# Allegro board FMDEMOD-before-back-annote.brd (continued)
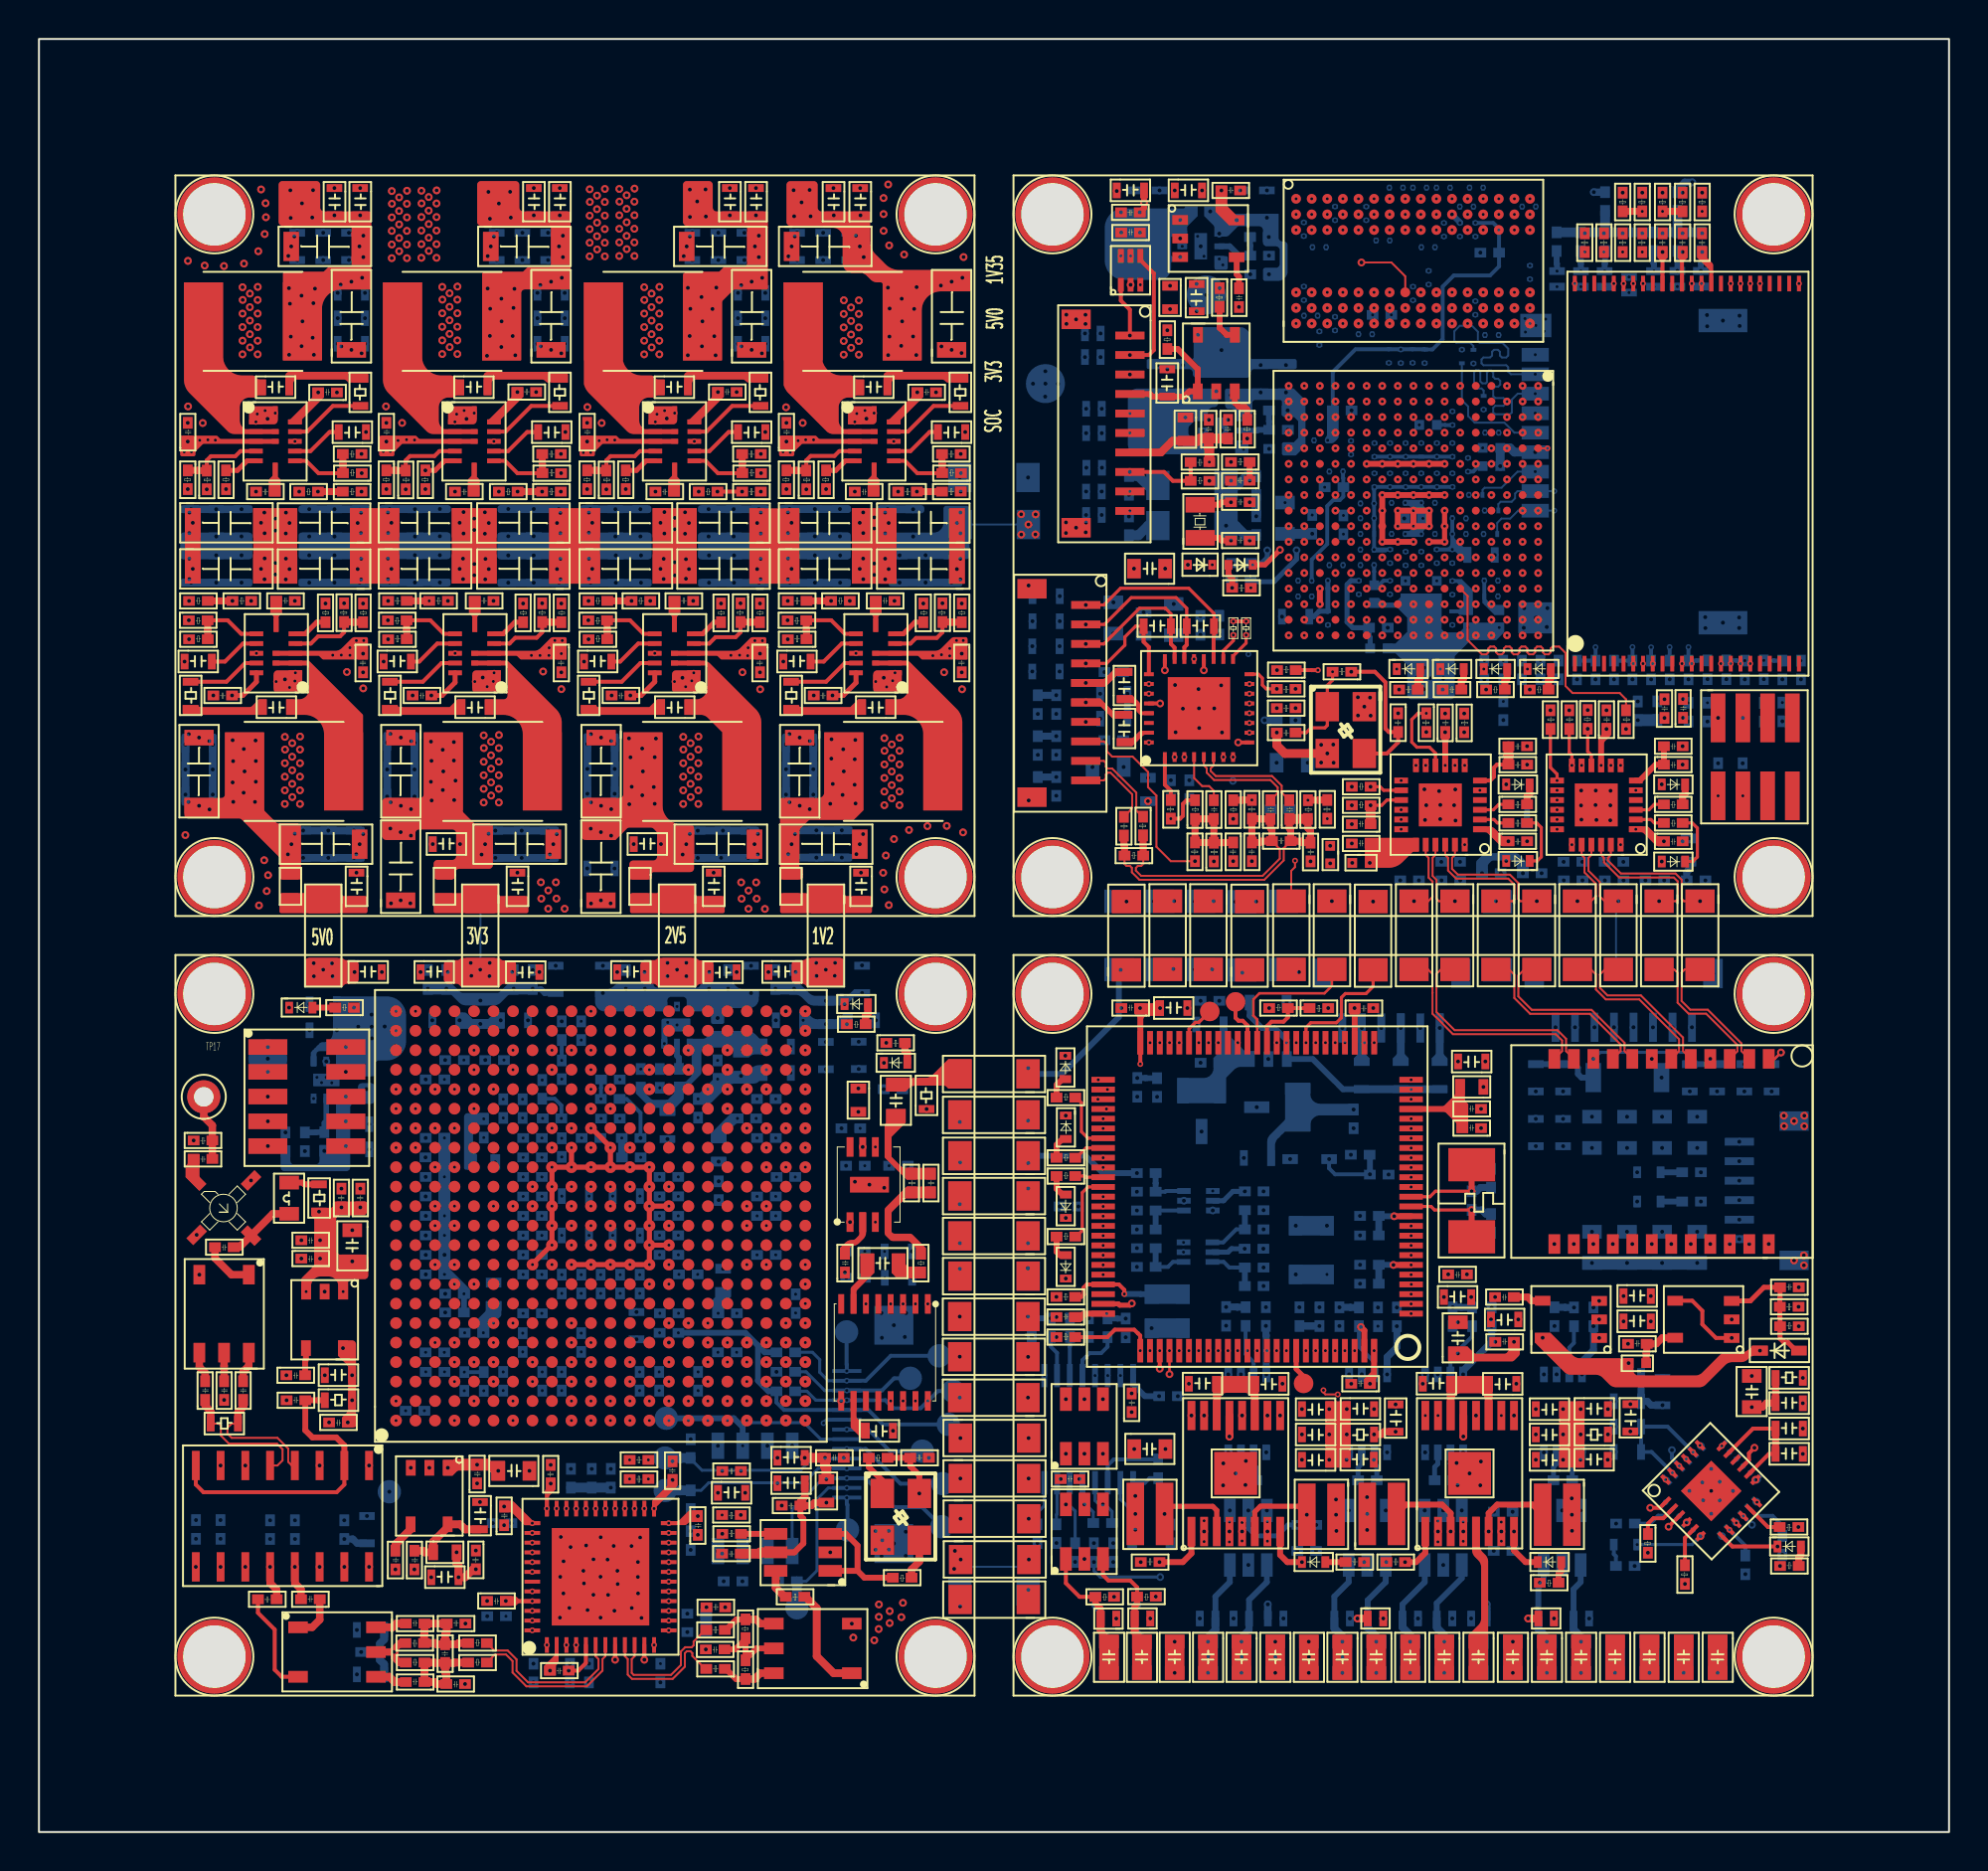
[diagram p0: board, top side]
## Placement (name value [footprint] x y rotation side) (continued)
C322  0.01uF  [C0402]  61.82 78.24 90 top
C323  100pF/25V  [C0603]  7.37 59.66 0 top
C367  0.1uF  [C0402]  57.8 14.81 90 bottom
C368  0.1uF  [C0402]  68.75 27.88 180 bottom
C369  0.1uF  [C0402]  68.75 31.36 180 bottom
C370  0.1uF  [C0402]  68.75 28.86 180 bottom
C371  10uF  [C0805]  85.7 36.9 270 bottom
C372  10uF  [C0805]  82.1 36.9 270 bottom
C373  10uF  [C0805]  83.9 36.9 270 bottom
C374  10uF  [C0805]  80.3 36.9 270 bottom
C375  10uF  [C0805]  83.9 31 270 bottom
C376  10uF  [C0805]  85.7 31 270 bottom
C377  10uF  [C0805]  80.3 31 270 bottom
C378  10uF  [C0805]  82.1 31 270 bottom
C386  0.1uF/25V  [C0603]  16.56 51.48 270 bottom
C395  0.1uF  [C0402]  22.57 22.63 90 bottom
C396  0.01uF  [C0402]  9.75 22.16 90 top
C397  0.01uF  [C0402]  10.72 22.16 90 top
C398  0.01uF  [C0402]  8.78 22.16 90 top
C399  0.01uF  [C0402]  13.67 22.4 180 top
C400  33pF  [C0402]  9.56 16.02 270 bottom
C401  0.1uF  [C0402]  15.41 15.03 90 bottom
C402  0.01uF  [C0402]  14.41 12.19 180 top
C403  0.01uF  [C0402]  11.22 11.69 0 top
C404  10uF  [C0805]  15.46 31.08 270 top
C405  0.1uF  [C0402]  13.45 29.17 0 top
C406  10uF  [C0603]  14.56 23.04 0 top
C407  0.1uF  [C0402]  14.88 20.77 0 top
C408  0.01uF  [C0402]  12.68 23.19 0 top
C409  0.1uF  [C0402]  44.59 33.94 180 bottom
C410  10uF  [C0603]  43.29 30.19 0 bottom
C411  0.1uF  [C0402]  35.12 13.11 0 bottom
C412  0.1uF  [C0402]  39.07 27.6 270 bottom
C413  0.1uF  [C0402]  37.81 31.36 180 bottom
C414  0.1uF  [C0402]  37.81 32.36 180 bottom
C415  0.1uF  [C0402]  38.81 33.36 180 bottom
C416  0.1uF  [C0402]  37.81 35.36 180 bottom
C417  0.1uF  [C0402]  37.81 37.36 180 bottom
C418  0.1uF  [C0402]  20.83 26.91 0 bottom
C419  0.1uF  [C0402]  19.83 38.87 0 bottom
C420  0.1uF  [C0402]  19.83 33.86 0 bottom
C421  0.1uF  [C0402]  19.84 31.86 0 bottom
C422  0.1uF  [C0402]  19.84 30.86 0 bottom
C423  0.1uF  [C0402]  19.84 28.86 0 bottom
C424  0.1uF  [C0402]  20.83 27.87 0 bottom
C425  0.1uF  [C0402]  19.83 24.86 0 bottom
C426  0.1uF  [C0402]  28.61 18.64 270 bottom
C427  0.1uF  [C0402]  32.82 26.37 180 bottom
C428  0.1uF  [C0402]  28.57 27.63 90 bottom
C429  0.1uF  [C0402]  29.57 27.63 90 bottom
C430  0.1uF  [C0402]  32.81 32.36 180 bottom
C431  0.1uF  [C0402]  32.81 31.36 180 bottom
C432  0.1uF  [C0402]  32.81 30.36 180 bottom
C433  0.1uF  [C0402]  32.81 29.37 180 bottom
C434  0.1uF  [C0402]  29.81 36.36 180 bottom
C435  0.1uF  [C0402]  24.83 33.86 0 bottom
C436  0.1uF  [C0402]  24.83 28.86 0 bottom
C437  0.1uF  [C0402]  27.07 35.61 270 bottom
C438  0.1uF  [C0402]  24.83 29.87 0 bottom
C439  0.1uF  [C0402]  30.57 27.63 90 bottom
C440  2.2uF  [C0402]  26.21 8.03 0 top
C441  0.1uF  [C0402]  13.45 30.11 0 top
C442  DNP  [C0805]  80.24 9.97 270 top
C443  DNP  [C0805]  82.01 9.97 270 top
C444  DNP  [C0805]  85.51 9.97 270 top
C445  DNP  [C0805]  83.77 9.97 270 top
C446  DNP  [C0805]  86.76 9.97 270 bottom
C447  DNP  [C0805]  85.01 9.97 270 bottom
C448  DNP  [C0805]  81.49 9.97 270 bottom
C449  DNP  [C0805]  83.26 9.97 270 bottom
C450  DNP  [C0805]  59.36 9.97 270 top
C451  DNP  [C0805]  61.08 9.97 270 top
C452  DNP  [C0805]  67.99 9.97 270 top
C453  DNP  [C0805]  69.24 9.97 270 bottom
C454  DNP  [C0805]  66.25 7.96 90 bottom
C455  DNP  [C0805]  66.25 9.97 270 top
C456  DNP  [C0805]  55.97 9.97 270 top
C457  DNP  [C0805]  54.28 9.97 270 top
C458  DNP  [C0805]  57.21 9.97 270 bottom
C459  DNP  [C0805]  55.52 9.97 270 bottom
C460  DNP  [C0805]  58.9 9.97 270 bottom
C461  DNP  [C0805]  57.65 9.97 270 top
C462  DNP  [C0805]  70.98 9.97 270 bottom
C463  DNP  [C0805]  72.73 9.97 270 bottom
C464  DNP  [C0805]  74.48 9.97 270 bottom
C465  DNP  [C0805]  75 9.97 270 top
C466  DNP  [C0805]  73.23 9.97 270 top
C467  DNP  [C0805]  76.25 9.97 270 bottom
C468  DNP  [C0805]  69.73 9.97 270 top
C469  DNP  [C0805]  78 9.97 270 bottom
C470  DNP  [C0805]  79.75 9.97 270 bottom
C471  DNP  [C0805]  76.75 9.97 270 top
C472  DNP  [C0805]  71.48 9.97 270 top
C473  DNP  [C0805]  78.5 9.97 270 top
C474  DNP  [C0805]  64.53 9.97 270 top
C475  DNP  [C0805]  60.61 9.97 270 bottom
C476  DNP  [C0805]  62.33 9.97 270 bottom
C477  DNP  [C0805]  64.06 9.97 270 bottom
C478  DNP  [C0805]  62.81 9.97 270 top
C479  DNP  [C0805]  65.78 9.97 270 bottom
C480  0.1uF  [C0402]  74 36.37 180 top
C481  1uF  [C0603]  74.31 39.94 180 top
C482  0.1uF  [C0402]  67.49 42.03 0 top
C483  0.1uF  [C0402]  56.51 42.53 180 top
C484  0.1uF  [C0402]  72.3 28.36 0 top
C485  0.1uF  [C0402]  68.3 23.25 180 top
C486  0.1uF  [C0402]  53.39 18.36 180 top
C487  0.1uF  [C0402]  56.31 21.53 90 top
C488  4.7uF  [C0603]  78.99 18.7 0 top
C489  4.7uF  [C0603]  66.99 18.7 0 top
C490  4.7uF  [C0603]  81.25 22.05 270 top
C491  4.7uF  [C0603]  69.2 22.04 270 top
C492  10uF  [C0603]  57.42 41.88 0 top
C493  10uF  [C0603]  71.98 27.05 0 top
C494  DNP  [C0805]  66.28 30.49 180 bottom
C495  DNP  [C0805]  66.28 27.99 180 bottom
C496  DNP  [C0805]  56.88 26.47 0 bottom
C497  DNP  [C0805]  56.88 28.22 0 bottom
C498  10uF  [C0805]  73.42 24.36 90 top
C499  10uF  [C0805]  55.99 19.03 0 top
C500  0.22uF  [C0201]  71.15 79.45 90 bottom
C501  0.22uF  [C0201]  70.35 78.64 90 bottom
C502  0.1uF  [C0201]  69.97 69.06 90 bottom
C503  0.1uF  [C0201]  70.77 69.06 90 bottom
C504  0.1uF  [C0201]  71.57 69.06 90 bottom
C505  0.1uF  [C0201]  68.45 68.02 180 bottom
C506  1uF/10V  [C0402]  8.94 58.07 0 top
C507  15nF  [C0402]  13.14 63.42 180 top
C516  0.1uF  [C0603]  23.18 58.12 180 top
C517  22uF/50V  [C1206]  26.43 65.59 180 top
C518  0.1uF/50V  [C0603]  20.97 65.61 270 bottom
C519  150pF/25V  [C0603]  17.58 59.66 0 top
C520  22uF/25V  [C1206]  17.78 56 270 top
C521  22uF/25V  [C1206]  26.24 51.48 180 top
C522  0.1uF/25V  [C0603]  17.77 54.92 0 bottom
C523  0.1uF/25V  [C0603]  17.77 56.29 0 bottom
C524  1uF/10V  [C0402]  19.16 58.07 0 top
C525  15nF  [C0402]  23.33 63.42 180 top
C526  0.1uF  [C0603]  33.42 58.12 180 top
C527  22uF/50V  [C1206]  36.7 65.59 180 top
C528  0.1uF/50V  [C0603]  34.78 65.6 270 bottom
C529  100pF/25V  [C0603]  27.87 59.66 0 top
C530  22uF/25V  [C1206]  28.05 56 270 top
C531  22uF/25V  [C1206]  36.56 51.48 180 top
C532  0.1uF/25V  [C0603]  28.03 49.84 0 bottom
C534  1uF/10V  [C0402]  29.37 58.07 0 top
C535  15nF  [C0402]  33.58 63.42 180 top
C536  0.1uF  [C0603]  43.73 58.12 180 top
C537  22uF/50V  [C1206]  38.76 64.02 0 top
C538  0.1uF/50V  [C0603]  40.21 65.6 270 bottom
C539  100pF/25V  [C0603]  38.09 59.66 0 top
C540  22uF/25V  [C1206]  38.24 56 270 top
C541  22uF/25V  [C1206]  41.96 51.48 180 top
C542  0.1uF/25V  [C0603]  40.29 51.5 270 bottom
C543  0.1uF/25V  [C0603]  38.98 51.5 270 bottom
C544  1uF/10V  [C0402]  39.74 58.07 0 top
C545  15nF  [C0402]  43.9 63.42 180 top
C1307  22uF/50V  [C1206]  16.2 67.95 180 top
C1308  0.1uF/25V  [C0603]  7.4 66.37 90 bottom
C3061  0.1uF  [C0603]  11.34 73.73 0 top
C3101  22uF/25V  [C1206]  16.82 76.2 90 top
C3131  0.1uF/25V  [C0603]  16.08 84.45 270 top
C3141  22uF/25V  [C1206]  13.09 80.57 0 top
C3231  100pF/25V  [C0603]  16.88 72.23 180 top
C3861  0.1uF/25V  [C0603]  14.76 84.45 270 top
C5061  1uF/10V  [C0402]  15.3 74.11 180 top
C5071  15nF  [C0402]  11.13 68.53 0 top
C5161  0.1uF  [C0603]  21.52 73.73 0 top
C5171  22uF/50V  [C1206]  26.43 67.95 180 top
C5181  0.1uF/50V  [C0603]  26.28 66.37 90 bottom
C5191  150pF/25V  [C0603]  27.11 72.23 180 top
C5201  22uF/25V  [C1206]  27.06 76.2 90 top
C5211  22uF/25V  [C1206]  23.33 80.57 0 top
C5221  0.1uF/25V  [C0603]  26.32 84.45 270 top
C5231  0.1uF/25V  [C0603]  24.99 84.45 270 top
C5241  1uF/10V  [C0402]  25.52 74.13 180 top
C5251  15nF  [C0402]  21.34 68.53 0 top
C5261  0.1uF  [C0603]  31.8 73.73 0 top
C5271  22uF/50V  [C1206]  28.54 66.39 0 top
C5281  0.1uF/50V  [C0603]  35.24 66.37 90 bottom
C5291  100pF/25V  [C0603]  37.37 72.23 180 top
C5301  22uF/25V  [C1206]  37.36 76.2 90 top
C5311  22uF/25V  [C1206]  33.38 80.57 0 top
C5321  0.1uF/25V  [C0603]  36.39 84.45 270 top
C5331  0.1uF/25V  [C0603]  35.05 84.45 270 top
C5341  1uF/10V  [C0402]  35.81 74.13 180 top
C5351  15nF  [C0402]  31.62 68.53 0 top
C5361  0.1uF  [C0603]  42.03 73.73 0 top
C5371  22uF/50V  [C1206]  38.76 66.39 0 top
C5391  100pF/25V  [C0603]  47.62 72.23 180 top
C5401  22uF/25V  [C1206]  47.62 76.2 90 top
C5411  22uF/25V  [C1206]  38.77 80.57 0 top
C5421  0.1uF/25V  [C0603]  41.73 84.45 270 top
C5431  0.1uF/25V  [C0603]  40.36 84.45 270 top
C5441  1uF/10V  [C0402]  46.03 74.12 180 top
C5451  15nF  [C0402]  41.85 68.53 0 top
C5472  22uF/50V  [C1206]  16.2 65.59 180 top
C5473  0.1uF/25V  [C0603]  10.79 65.61 270 bottom
C5474  0.1uF/25V  [C0603]  16.86 65.61 270 bottom
C5475  0.1uF/25V  [C0603]  8.2 65.61 270 bottom
C5476  0.1uF/25V  [C0603]  9.49 65.61 270 bottom
C5477  0.1uF/25V  [C0603]  15.56 65.61 270 bottom
C5478  0.1uF/25V  [C0603]  13.95 51.48 270 bottom
C5479  0.1uF/25V  [C0603]  15.24 51.48 270 bottom
C5480  0.1uF/25V  [C0603]  7.42 53.63 0 bottom
C5481  0.1uF/25V  [C0603]  7.42 54.92 0 bottom
C5482  22uF/50V  [C1206]  18.23 64.02 0 top
C5483  0.1uF/50V  [C0603]  27.08 65.6 270 bottom
C5484  0.1uF/50V  [C0603]  25.79 65.6 270 bottom
C5485  0.1uF/50V  [C0603]  24.48 65.6 270 bottom
C5486  0.1uF/50V  [C0603]  18.39 65.61 270 bottom
C5487  0.1uF/50V  [C0603]  19.69 65.61 270 bottom
C5488  22uF/50V  [C1206]  28.54 64.02 0 top
C5489  0.1uF/50V  [C0603]  30 65.6 270 bottom
C5490  0.1uF/50V  [C0603]  31.29 65.6 270 bottom
C5491  0.1uF/50V  [C0603]  28.7 65.6 270 bottom
C5492  0.1uF/50V  [C0603]  36.06 65.6 270 bottom
C5493  0.1uF/50V  [C0603]  37.35 65.6 270 bottom
C5494  0.1uF  [C0402]  16.38 60.47 270 top
C5495  0.1uF  [C0402]  26.55 60.47 270 top
C5496  0.1uF  [C0402]  36.74 60.47 270 top
C5497  0.1uF  [C0402]  47.09 60.47 270 top
C5498  22uF/50V  [C1206]  46.95 65.59 180 top
C5499  0.1uF/50V  [C0603]  41.51 65.6 270 bottom
C5500  0.1uF/50V  [C0603]  38.93 65.6 270 bottom
C5501  0.1uF/50V  [C0603]  45.89 65.61 270 bottom
C5502  0.1uF/50V  [C0603]  47.22 65.61 270 bottom
C5503  0.1uF/50V  [C0603]  44.55 65.61 270 bottom
C5504  0.1uF/25V  [C0603]  15.89 49.32 270 top
C5505  0.1uF/25V  [C0603]  24.15 49.32 270 top
C5506  0.1uF/25V  [C0603]  25.17 51.48 270 bottom
C5507  0.1uF/25V  [C0603]  26.52 51.48 270 bottom
C5508  0.1uF/25V  [C0603]  23.82 51.48 270 bottom
C5509  0.1uF/25V  [C0603]  17.77 53.53 0 bottom
C5510  22uF/25V  [C1206]  19.35 47.95 90 top
C5512  0.1uF/25V  [C0603]  20.1 50.29 0 top
C5513  22uF/25V  [C1206]  29.62 47.95 90 top
C5514  0.1uF/25V  [C0603]  35.49 51.48 270 bottom
C5515  0.1uF/25V  [C0603]  36.78 51.48 270 bottom
C5516  0.1uF/25V  [C0603]  34.2 51.48 270 bottom
C5517  0.1uF/25V  [C0603]  28.04 54.95 0 bottom
C5518  0.1uF/25V  [C0603]  28.04 53.67 0 bottom
C5519  0.1uF/25V  [C0603]  34.22 49.32 270 top
C5520  0.1uF/25V  [C0603]  30.41 50.29 0 top
C5521  0.1uF/25V  [C0603]  28.04 56.23 0 bottom
C5522  0.1uF/25V  [C0603]  41.59 51.5 270 bottom
C5523  0.1uF/25V  [C0603]  38.23 54.93 0 bottom
C5524  0.1uF/25V  [C0603]  38.23 56.2 0 bottom
C5525  0.1uF/25V  [C0603]  38.23 53.63 0 bottom
C5526  0.1uF/25V  [C0603]  41.77 49.32 270 top
C5527  22uF/50V  [C1206]  8.04 66.39 0 top
C5528  22uF/50V  [C1206]  18.23 66.39 0 top
C5529  0.1uF/25V  [C0603]  8.69 66.37 90 bottom
C5530  0.1uF/25V  [C0603]  9.99 66.37 90 bottom
C5531  0.1uF/25V  [C0603]  14.76 66.37 90 bottom
C5532  0.1uF/25V  [C0603]  13.47 66.37 90 bottom
C5533  0.1uF/25V  [C0603]  16.06 66.37 90 bottom
C5534  0.1uF/50V  [C0603]  17.59 66.37 90 bottom
C5535  0.1uF/50V  [C0603]  18.89 66.37 90 bottom
C5536  0.1uF/50V  [C0603]  20.97 67.98 270 bottom
C5537  0.1uF/50V  [C0603]  24.48 67.98 270 bottom
C5538  0.1uF/50V  [C0603]  25.79 67.98 270 bottom
C5539  22uF/50V  [C1206]  36.7 67.95 180 top
C5540  0.1uF/50V  [C0603]  27.89 66.37 90 bottom
C5541  0.1uF/50V  [C0603]  29.18 66.37 90 bottom
C5542  0.1uF/50V  [C0603]  30.46 66.37 90 bottom
C5543  0.1uF/50V  [C0603]  36.54 66.37 90 bottom
C5544  0.1uF/50V  [C0603]  33.96 66.37 90 bottom
C5545  22uF/50V  [C1206]  46.95 67.95 180 top
C5546  0.1uF/50V  [C0603]  39.41 66.38 90 bottom
C5547  0.1uF/50V  [C0603]  40.7 66.38 90 bottom
C5548  0.1uF/50V  [C0603]  38.12 66.38 90 bottom
C5549  0.1uF/50V  [C0603]  43.15 66.37 90 bottom
C5550  0.1uF/50V  [C0603]  44.45 66.37 90 bottom
C5551  0.1uF  [C0402]  7.88 71.33 90 top
C5552  0.1uF  [C0402]  18.07 71.33 90 top
C5553  0.1uF  [C0402]  28.38 71.33 90 top
C5554  0.1uF  [C0402]  38.6 71.33 90 top
C5555  0.1uF/25V  [C0603]  16.83 77.27 180 bottom
C5556  0.1uF/25V  [C0603]  16.83 78.57 180 bottom
C5557  0.1uF/25V  [C0603]  16.83 75.96 180 bottom
C5558  0.1uF/25V  [C0603]  14.18 80.56 90 bottom
C5559  0.1uF/25V  [C0603]  15.5 80.56 90 bottom
C5560  0.1uF/25V  [C0603]  12.85 80.56 90 bottom
C5561  0.1uF/25V  [C0603]  27.07 77.27 180 bottom
C5562  0.1uF/25V  [C0603]  27.07 75.96 180 bottom
C5563  0.1uF/25V  [C0603]  27.07 78.57 180 bottom
C5564  0.1uF/25V  [C0603]  24.4 80.56 90 bottom
C5565  0.1uF/25V  [C0603]  23.09 80.56 90 bottom
C5566  0.1uF/25V  [C0603]  25.72 80.56 90 bottom
C5567  0.1uF/25V  [C0603]  33.12 80.56 90 bottom
C5568  0.1uF/25V  [C0603]  35.79 80.56 90 bottom
C5569  0.1uF/25V  [C0603]  34.46 80.56 90 bottom
C5570  0.1uF/25V  [C0603]  37.36 75.96 180 bottom
C5571  0.1uF/25V  [C0603]  37.36 78.57 180 bottom
C5572  0.1uF/25V  [C0603]  37.36 77.27 180 bottom
C5573  0.1uF/25V  [C0603]  39.84 80.56 90 bottom
C5574  0.1uF/25V  [C0603]  41.17 80.56 90 bottom
C5575  0.1uF/25V  [C0603]  38.5 80.56 90 bottom
C5576  10uF  [C0603]  62.14 84.33 270 bottom
C5577  10uF  [C0603]  63.4 84.33 270 bottom
C5578  10uF  [C0603]  57.89 84.33 270 bottom
C5579  10uF  [C0603]  56.58 84.33 270 bottom
C5580  10uF  [C0603]  57.79 75.37 270 bottom
C5581  10uF  [C0603]  59.1 75.37 270 bottom
C5582  10uF  [C0603]  63.08 75.37 270 bottom
C5583  10uF  [C0603]  64.38 75.37 270 bottom
C5584  10uF  [C0603]  13.78 42.88 0 bottom
C5585  10uF  [C0603]  13.78 41.54 0 bottom
C5586  10uF  [C0603]  17.04 35.92 180 bottom
C5587  10uF  [C0603]  17.04 34.62 180 bottom
C5588  10uF  [C0603]  17.81 9.97 180 bottom
C5589  10uF  [C0603]  17.81 7.69 180 bottom
C5590  0.1uF  [C0603]  25.77 44.52 180 top
C5591  0.1uF  [C0603]  19.48 43.72 0 top
C5592  0.1uF  [C0603]  16.09 43.72 0 top
C5593  0.1uF  [C0603]  35.9 44.52 180 top
C5594  0.1uF  [C0603]  29.57 43.72 0 top
C5595  0.1uF  [C0603]  37.33 43.72 0 top
C5596  0.1uF  [C0402]  23.27 16.1 0 bottom
C5597  0.1uF  [C0402]  22.99 11.32 0 bottom
C5598  0.1uF  [C0402]  27.54 18.64 270 bottom
C5599  0.1uF  [C0402]  33.19 14.47 90 bottom
C5600  0.1uF  [C0402]  29.59 18.64 270 bottom
C5601  0.1uF  [C0402]  24.11 15.73 90 top
C5602  0.1uF  [C0402]  26.01 18.85 270 top
C5603  0.1uF  [C0402]  34.05 15.24 90 top
C5604  0.1uF  [C0402]  32.26 19.03 270 top
C5605  0.1uF  [C0402]  22.98 11.61 0 top
C5606  0.1uF  [C0402]  25.12 7.67 90 bottom
C5607  0.1uF  [C0402]  26.99 7.67 90 bottom
C5608  0.1uF  [C0402]  27.97 7.67 90 bottom
C5609  0.1uF  [C0402]  31.63 7.67 90 bottom
C5610  0.1uF  [C0402]  34.24 10.01 180 bottom
C5611  0.1uF  [C0402]  34.24 10.95 180 bottom
C5612  0.1uF  [C0402]  33.81 28.36 180 bottom
C5613  10uF  [C0603]  29.33 31.01 0 bottom
C5614  10uF  [C0603]  28.33 30.21 180 bottom
C5615  10uF  [C0603]  28.33 32.23 180 bottom
C5616  10uF  [C0603]  29.33 33.03 0 bottom
C5617  0.1uF  [C0402]  37.81 29.36 180 bottom
C5618  0.1uF  [C0402]  20.81 35.36 180 bottom
C5619  0.1uF  [C0402]  21.81 39.36 180 bottom
C5620  0.1uF  [C0402]  24.61 44.24 270 bottom
C5621  0.1uF  [C0402]  25.58 44.24 270 bottom
C5622  0.1uF  [C0402]  21.15 44.24 270 bottom
C5623  0.1uF  [C0402]  20.2 44.24 270 bottom
C5627  10uF  [C0603]  25.19 41.25 180 bottom
C5628  10uF  [C0603]  31.06 26.78 270 bottom
C5629  10uF  [C0603]  42.63 44.55 270 bottom
C5630  0.1uF  [C0402]  38.03 44.24 270 bottom
C5631  10uF  [C0603]  29.33 44.55 270 bottom
C5632  10uF  [C0603]  36.93 44.55 270 bottom
C5633  10uF  [C0603]  31.84 35.45 90 bottom
C5634  10uF  [C0603]  38.68 39.9 180 bottom
C5635  0.1uF  [C0402]  31.34 44.24 270 bottom
C5636  0.1uF  [C0402]  30.36 44.24 270 bottom
C5637  0.1uF  [C0402]  34.63 44.24 270 bottom
C5638  0.1uF  [C0402]  35.61 44.24 270 bottom
C5639  10uF  [C0603]  39.97 39.04 90 bottom
C5640  0.1uF  [C0402]  41.4 30.04 0 bottom
C5641  0.1uF  [C0402]  19.82 34.87 0 bottom
C5642  0.1uF  [C0402]  19.84 29.86 0 bottom
C5643  0.1uF  [C0402]  19.83 32.86 0 bottom
C5644  -  [C0402]  71.02 67.15 180 bottom
C5645  0.22uF  [C0201]  70.05 66.45 180 bottom
C5646  0.22uF  [C0201]  68.45 66.45 180 bottom
C5647  0.22uF  [C0201]  68.45 65.65 180 bottom
C5648  0.22uF  [C0201]  69.47 65.76 270 bottom
C5649  0.22uF  [C0201]  70.77 70.62 90 bottom
C5650  0.22uF  [C0201]  71.57 70.62 90 bottom
C5651  0.22uF  [C0201]  72.37 70.62 90 bottom
C5652  10uF  [C0603]  73.19 65.92 0 bottom
C5653  0.1uF  [C0201]  74.21 63.55 0 bottom
C5654  0.1uF  [C0201]  72.67 62.58 270 bottom
C5655  0.22uF  [C0201]  65.25 64.05 180 bottom
C5656  10uF  [C0402]  74.92 80.79 180 bottom
C5657  10uF  [C0402]  66.37 73.19 0 bottom
D1  1N4148WT  [SOD-523F]  64.19 34.53 270 bottom
D2  ESD5451X  [DF1006]  68.07 10.66 0 top
D3  ESD5451X  [DF1006]  69.07 10.66 180 bottom
D4  ESD5451X  [DF1006]  67.36 10.66 180 bottom
D5  LED  [LED0402]  64.9 13.6 0 top
D6  LED  [LED0402]  81.9 14.5 180 bottom
D7  ESD5451X  [DF1006]  62.95 11.26 0 bottom
D8  ESD5451X  [DF1006]  61.19 11.26 0 bottom
D9  ESD5451X  [DF1006]  59.46 11.26 0 bottom
D10  ESD5451X  [DF1006]  76.83 10.66 0 top
D11  ESD5451X  [DF1006]  79.63 10.66 180 bottom
D12  ESD5451X  [DF1006]  77.83 10.66 180 bottom
D13  LED  [LED0402]  77 13.6 0 top
D14  LED  [LED0402]  89.3 14.4 0 top
D15  ESD5451X  [DF1006]  74.38 10.66 180 bottom
D16  ESD5451X  [DF1006]  72.61 10.66 180 bottom
D17  ESD5451X  [DF1006]  70.86 10.66 180 bottom
D18  1N4148WT  [SOD-523F]  90.3 24.7 270 top
D19  RB521S-30  [SOD523]  60.2 65.45 180 top
D20  RB521S-30  [SOD523]  62.28 65.45 180 top
D21  BLUE  [LED0402]  76.47 59.42 0 top
D22  BLUE  [LED0402]  69.77 59.42 0 top
D23  BLUE  [LED0402]  74.23 59.42 0 top
D24  BLUE  [LED0402]  72 59.42 0 top
D25  LED  [LED0402]  84.36 54 180 top
D26  LED  [LED0402]  84.36 50.05 180 top
D27  LED  [LED0402]  76.38 54 180 top
D28  LED  [LED0402]  76.38 50.08 180 top
D29  ESD5451X  [DF1006]  78.19 80.19 270 bottom
D30  ESD5451X  [DF1006]  79.41 80.19 270 bottom
D31  ESD5451X  [DF1006]  80.63 80.19 270 bottom
D32  ESD5451X  [DF1006]  83.16 80.19 270 bottom
D33  ESD5451X  [DF1006]  84.36 80.2 270 bottom
D34  ESD5451X  [DF1006]  85.57 80.2 270 bottom
D35  ESD5451X  [DF1006]  81.28 78.89 90 bottom
D42  ESD5451X  [DF1006]  53.63 73.33 0 bottom
D43  ESD5451X  [DF1006]  53.63 72.08 0 bottom
D44  ESD5451X  [DF1006]  54.64 69.7 180 bottom
D45  ESD5451X  [DF1006]  54.63 68.48 180 bottom
D46  ESD5451X  [DF1006]  54.62 67.28 180 bottom
D47  ESD5451X  [DF1006]  54.57 75.38 180 bottom
D48  ESD5451X  [DF1006]  54.57 76.59 180 bottom
D49  LED  [LED0402]  41.43 42.23 0 top
D50  LED  [LED0402]  43.45 39.22 0 top
D51  ESD5451X  [DF1006]  57.12 10.66 180 bottom
D52  ESD5451X  [DF1006]  55.38 10.66 180 bottom
D53  ESD5451X  [DF1006]  55.37 11.25 180 top
D54  ESD5451X  [DF1006]  57.12 11.26 180 top
D55  BLUE  [LED0402]  82.1 34.1 0 bottom
D56  BLUE  [LED0402]  82.1 32.6 0 bottom
D57  LED  [LED0402]  12.93 42.05 0 top
D58  LED  [LED0402]  52.43 36.66 270 top
D59  LED  [LED0402]  52.41 39.73 270 top
D60  LED  [LED0402]  52.93 28.5 90 top
D61  LED  [LED0402]  52.93 31.61 90 top
J1  HEADER1x6  [SH1D0-SMD-VER-6P]  65.39 44.71 0 bottom
J7  HEADER-2X4  [SMD-HEADER-2X4-1D27]  85.5 52 0 top
J8  HEADER1X8  [SH1D0-SMD-VER-8P]  76.3 44.7 0 bottom
J9  MicroSDSlot  [MICROSD-SMD-9P]  84.3 69.8 270 bottom
J13  HEADER1X10  [SH1D0-SMD-VER-10P]  50.3 64.2 270 top
J14  FPC-14P-0.5  [FPC-14P-0D5]  44.92 20.4 270 bottom
J16  HEADER1x6  [SH1D0-SMD-VER-6P]  90.7 36.9 270 bottom
J17  HEADER1X10  [SH1D0-SMD-VER-10P]  52.56 78.02 270 top
J18  HEADER-2X5P  [HEADER-2X5P-1D27-SMD]  15.74 40.27 270 top
L1  BLM18SP102SN1D  [FB0603]  74.31 38.63 180 top
L2  MPZ1005D330ET000  [FB0402]  82.51 24.3 180 top
L3  BLM18SP102SN1D  [FB0603]  85.03 51.18 270 bottom
L4  BLM18SP102SN1D  [FB0402]  67.33 49.49 0 top
L5  BLM18SP102SN1D  [FB0603]  56.5 52.69 90 bottom
L6  BLM18SP102SN1D  [FB0603]  57.08 62.78 270 bottom
L7  1uH/100mA  [L0805]  13.46 31.52 90 top
L8  BEAD  [FB0603]  23.05 42.86 270 bottom
L9  BEAD  [FB0603]  20.03 13.95 0 top
L10  BEAD  [FB0603]  36.42 40.2 270 bottom
L11  BEAD  [FB0603]  39.98 41.25 90 bottom
L13  BEAD  [FB0603]  41.64 38.35 270 top
L14  BEAD  [FB0603]  40 18.3 270 top
L15  BEAD  [FB0603]  35.27 35.8 270 bottom
L17  BLM18SP102SN1D  [FB0603]  57.63 79.54 270 top
L18  4.7uH/2A  [CD54-IND-2P]  15.63 56.96 180 top
L24  BLM18SP102SN1D  [FB0402]  70.77 72.44 0 bottom
L25  BLM18SP102SN1D  [FB0402]  75.02 70.78 180 bottom
L26  BLM18SP102SN1D  [FB0402]  75.02 69.84 180 bottom
L28  BLM18SP102SN1D  [FB0402]  73.08 61.75 90 bottom
L30  BLM18SP102SN1D  [FB0402]  69.87 63.25 90 bottom
L31  BLM18SP102SN1D  [FB0402]  71.48 63.25 90 bottom
L32  BLM18SP102SN1D  [FB0402]  74.68 61.75 90 bottom
L33  BLM18SP102SN1D  [FB0402]  69.25 60.49 180 bottom
L34  BLM18SP102SN1D  [FB0402]  68.27 63.02 90 bottom
L35  BLM18SP102SN1D  [FB0402]  66.01 50.65 270 top
L36  BLM18SP102SN1D  [FB0603]  12.5 49.32 270 top
L37  BLM18SP102SN1D  [FB0603]  20.4 49.32 270 top
L38  BLM18SP102SN1D  [FB0603]  30.44 49.32 270 top
L39  BLM18SP102SN1D  [FB0603]  38.19 49.32 270 top
L40  BLM18SP102SN1D  [FB0603]  58.42 72.78 270 top
L42  4.7uH/2A  [CD54-IND-2P]  25.82 56.96 180 top
L43  2.2uH/2A  [CD54-IND-2P]  36.06 56.96 180 top
L44  2.2uH/2A  [CD54-IND-2P]  46.37 56.96 180 top
L181  4.7uH/2A  [CD54-IND-2P]  8.44 74.97 0 top
L421  4.7uH/2A  [CD54-IND-2P]  18.66 74.97 0 top
L431  2.2uH/2A  [CD54-IND-2P]  28.96 74.97 0 top
L441  2.2uH/2A  [CD54-IND-2P]  39.21 74.97 0 top
L442  BEAD  [FB0603]  22.93 26.79 90 bottom
L443  BEAD  [FB0603]  34.7 27.5 90 bottom
L444  BEAD  [FB0603]  22.01 34.78 0 bottom
NOREF  -  []  38.17 49.9 90 top
NOREF#2  -  []  82.1 32.25 0 top
NOREF#3  -  []  87 27.95 0 top
NOREF#4  -  []  65.31 25.5 0 top
NOREF#5  -  []  79.64 49.39 90 top
NOREF#6  -  []  84.23 49.58 90 top
NOREF#7  -  []  62.66 41.89 90 top
NOREF#8  -  []  55.2 84.64 0 top
NOREF#9  -  []  37.96 62.78 90 top
NOREF#10  -  []  21.22 16.24 0 top
NOREF#11  -  []  31.46 36.13 90 top
NOREF#12  -  []  20.41 33.98 0 top
NOREF#13  -  []  79.49 9.97 90 top
NOREF#14  -  []  22.67 13.98 0 top
NOREF#15  -  []  61.8 64.2 90 top
NOREF#16  -  []  61.03 64.6 0 top
NOREF#17  -  []  71.47 38.82 0 top
NOREF#18  -  []  44 18.81 90 top
NOREF#19  -  []  35.62 68.39 0 top
NOREF#20  -  []  21.43 66.39 90 top
NOREF#21  -  []  29.98 66.37 90 top
NOREF#22  -  []  63.9 24.21 0 top
NOREF#23  -  []  39.26 22.22 90 top
NOREF#24  -  []  73 18.9 90 top
NOREF#25  -  []  55.66 76.87 0 top
NOREF#26  -  []  67.04 41.89 0 top
NOREF#27  -  []  18.22 41.13 90 top
NOREF#28  -  []  84.24 58.68 90 top
NOREF#29  -  []  56.5 54.29 0 top
NOREF#30  -  []  55.56 15.33 0 top
NOREF#31  -  []  19.37 54.11 90 top
NOREF#32  -  []  66.99 19.51 0 top
NOREF#33  -  []  34.59 15.88 0 top
NOREF#34  -  []  59.55 17.06 90 top
NOREF#35  -  []  80.3 32.25 0 top
NOREF#36  -  []  65.5 51.52 90 top
NOREF#37  -  []  59.14 38.3 0 top
NOREF#38  -  []  27.73 35.49 90 top
NOREF#39  -  []  8 21.07 0 top
NOREF#40  -  []  31.29 23.15 0 top
NOREF#41  -  []  23.94 9.53 90 top
NOREF#42  -  []  58.99 77.93 90 top
NOREF#43  -  []  26.29 41.13 0 top
NOREF#44  -  []  73.94 65.91 0 top
NOREF#45  -  []  63.95 11.26 90 top
NOREF#46  -  []  60.5 22.6 90 top
NOREF#47  -  []  86.3 44.7 90 top
NOREF#48  -  []  0 0 90 top
NOREF#49  -  []  60.1 49.92 0 top
NOREF#50  -  []  26.44 55.42 0 top
NOREF#51  -  []  22.43 20.58 0 top
NOREF#52  -  []  59.11 51.52 90 top
NOREF#53  -  []  24.43 22.58 0 top
NOREF#54  -  []  41.82 46.15 0 top
NOREF#55  -  []  12.18 42.07 0 top
NOREF#56  -  []  23 51.48 90 top
NOREF#57  -  []  68.28 26.78 90 top
NOREF#58  -  []  58.29 76.97 0 top
NOREF#59  -  []  85.9 36.9 90 top
NOREF#60  -  []  39.97 37.44 0 top
NOREF#61  -  []  25.48 76.77 0 top
NOREF#62  -  []  63.56 81.45 90 top
NOREF#63  -  []  69.2 20.44 0 top
NOREF#64  -  []  85.22 58.4 0 top
NOREF#65  -  []  63.08 39.66 0 top
NOREF#66  -  []  21.58 22.04 0 top
NOREF#67  -  []  68.19 64.2 0 top
NOREF#68  -  []  70.8 31.22 90 top
NOREF#69  -  []  62.62 55.01 0 top
NOREF#70  -  []  35.38 36.22 0 top
NOREF#71  -  []  38.9 37.86 90 top
NOREF#72  -  []  19.96 7.53 0 top
NOREF#73  -  []  72.52 84.14 0 top
NOREF#74  -  []  79.9 19.5 90 top
NOREF#75  -  []  55.24 9.95 90 top
NOREF#76  -  []  27.64 7.89 90 top
NOREF#77  -  []  87.7 36.9 90 top
NOREF#78  -  []  30.95 26.54 90 top
NOREF#79  -  []  20.88 68.39 0 top
NOREF#80  -  []  5.82 52.82 90 top
NOREF#81  -  []  25.36 20.4 0 top
NOREF#82  -  []  44.9 28.85 0 top
NOREF#83  -  []  58.32 52.49 0 top
NOREF#84  -  []  76.25 7.97 90 top
NOREF#85  -  []  62.16 24.87 0 top
NOREF#86  -  []  69.06 65.49 90 top
NOREF#87  -  []  63.68 15.42 90 top
NOREF#88  -  []  27.74 61.59 0 top
NOREF#89  -  []  33.39 53.08 0 top
NOREF#90  -  []  25.51 71.42 0 top
NOREF#91  -  []  33.99 46.29 0 top
NOREF#92  -  []  16.89 82.85 90 top
NOREF#93  -  []  84.68 14.83 90 top
NOREF#94  -  []  36.7 63.99 90 top
NOREF#95  -  []  34.68 53.08 0 top
NOREF#96  -  []  28.92 57.93 0 top
NOREF#97  -  []  82.8 25.8 90 top
NOREF#98  -  []  18.62 68.55 90 top
NOREF#99  -  []  57.95 52.5 90 top
NOREF#100  -  []  22.77 68.39 90 top
NOREF#101  -  []  23.04 49.88 0 top
NOREF#102  -  []  60.7 66.66 0 top
NOREF#103  -  []  76.97 80.65 90 top
NOREF#104  -  []  67.97 78.23 0 top
NOREF#105  -  []  13.25 32.88 90 top
NOREF#106  -  []  34.6 15.69 0 top
NOREF#107  -  []  73.78 71.58 90 top
NOREF#108  -  []  20.35 22.26 90 top
NOREF#109  -  []  8.69 67.97 0 top
NOREF#110  -  []  55.07 82.46 0 top
NOREF#111  -  []  22.86 35.22 90 top
NOREF#112  -  []  68.6 21.3 90 top
NOREF#113  -  []  73.88 26.46 90 top
NOREF#114  -  []  27.24 70.32 90 top
NOREF#115  -  []  9.02 54.11 90 top
NOREF#116  -  []  45.08 64.01 0 top
NOREF#117  -  []  69.68 67.18 90 top
NOREF#118  -  []  72.72 71.58 0 top
NOREF#119  -  []  68.09 76.05 90 top
NOREF#120  -  []  68.25 60.99 0 top
NOREF#121  -  []  50.3 68.2 0 top
NOREF#122  -  []  16.16 21.75 90 top
NOREF#123  -  []  76.3 48.7 0 top
NOREF#124  -  []  72 37.9 0 top
NOREF#125  -  []  71.8 24.85 90 top
NOREF#126  -  []  55.98 64.19 0 top
NOREF#127  -  []  63.01 31.52 0 top
NOREF#128  -  []  64.11 16.93 0 top
NOREF#129  -  []  39.26 23.22 90 top
NOREF#130  -  []  36.34 17 90 top
NOREF#131  -  []  82.91 50.44 0 top
NOREF#132  -  []  45.76 61.61 90 top
NOREF#133  -  []  55.87 27.83 0 top
NOREF#134  -  []  82.3 22.51 0 top
NOREF#135  -  []  22.93 25.19 0 top
NOREF#136  -  []  62.27 75.37 90 top
NOREF#137  -  []  16.43 15.53 0 top
NOREF#138  -  []  57.98 64.19 90 top
NOREF#139  -  []  78.85 17.66 0 top
NOREF#140  -  []  76.81 54.38 90 top
NOREF#141  -  []  37.85 11.68 0 top
NOREF#142  -  []  51.75 30.16 90 top
NOREF#143  -  []  60.19 77.8 90 top
NOREF#144  -  []  54.49 49.07 0 top
NOREF#145  -  []  47.62 71.07 0 top
NOREF#146  -  []  30.07 26.54 0 top
NOREF#147  -  []  69.68 66.37 90 top
NOREF#148  -  []  25.72 81.37 0 top
NOREF#149  -  []  45.26 66.37 90 top
NOREF#150  -  []  77.02 89.62 0 top
NOREF#151  -  []  105.9 39.9 90 top
NOREF#152  -  []  33.65 38.17 90 top
NOREF#153  -  []  12.18 42.07 90 top
NOREF#154  -  []  12.94 73.73 90 top
NOREF#155  -  []  24.09 74.27 0 top
NOREF#156  -  []  7.42 55.39 0 top
NOREF#157  -  []  76.63 29.65 90 top
NOREF#158  -  []  28.21 40.17 90 top
NOREF#159  -  []  73.95 58.85 0 top
NOREF#160  -  []  26.44 54.14 0 top
NOREF#161  -  []  46.5 28.04 90 top
NOREF#162  -  []  22.53 11.47 0 top
NOREF#163  -  []  73.21 83.14 90 top
NOREF#164  -  []  29.18 65.6 90 top
NOREF#165  -  []  22 49.32 90 top
NOREF#166  -  []  54.63 72.73 90 top
NOREF#167  -  []  32.12 17.6 0 top
NOREF#168  -  []  61.84 49.35 90 top
NOREF#169  -  []  28.7 64.77 90 top
NOREF#170  -  []  88.85 15.26 0 top
NOREF#171  -  []  15.57 64.77 90 top
NOREF#172  -  []  67.82 34.12 90 top
NOREF#173  -  []  17.77 35.01 0 top
NOREF#174  -  []  63.57 75.37 90 top
NOREF#175  -  []  67.03 64.77 0 top
NOREF#176  -  []  29.72 68.44 90 top
NOREF#177  -  []  53.71 53.96 90 top
NOREF#178  -  []  7.53 15.55 0 top
NOREF#179  -  []  70.58 69.96 90 top
NOREF#180  -  []  76.83 10.06 0 top
NOREF#181  -  []  81.26 9.97 90 top
NOREF#182  -  []  23.16 7.53 0 top
NOREF#183  -  []  73.78 68.41 90 top
NOREF#184  -  []  57.39 59.87 90 top
NOREF#185  -  []  53.85 54.02 90 top
NOREF#186  -  []  67.09 69.5 0 top
NOREF#187  -  []  8.97 21.07 0 top
NOREF#188  -  []  28.52 46.15 0 top
NOREF#189  -  []  36.54 67.97 0 top
NOREF#190  -  []  57.7 38.23 90 top
NOREF#191  -  []  25.36 68.39 0 top
NOREF#192  -  []  13.66 80.56 90 top
NOREF#193  -  []  13.53 71.88 0 top
NOREF#194  -  []  74.93 51.39 90 top
NOREF#195  -  []  41.17 82.85 90 top
NOREF#196  -  []  83.76 79.2 90 top
NOREF#197  -  []  64.07 47.74 90 top
NOREF#198  -  []  66.9 52.29 90 top
NOREF#199  -  []  38.97 77.27 90 top
NOREF#200  -  []  55.08 24.29 0 top
NOREF#201  -  []  73.3 14.7 90 top
NOREF#202  -  []  29.18 67.97 0 top
NOREF#203  -  []  64.72 53.4 0 top
NOREF#204  -  []  58.79 62.28 0 top
NOREF#205  -  []  64.11 16.15 90 top
NOREF#206  -  []  53.55 15.33 90 top
NOREF#207  -  []  68.92 28.72 0 top
NOREF#208  -  []  62.81 7.97 90 top
NOREF#209  -  []  81.96 48.44 0 top
NOREF#210  -  []  83.9 38.15 0 top
NOREF#211  -  []  55.22 25.25 90 top
NOREF#212  -  []  34.3 43.71 90 top
NOREF#213  -  []  22.78 33.22 90 top
NOREF#214  -  []  88.92 14.73 0 top
NOREF#215  -  []  61.6 71.04 90 top
NOREF#216  -  []  15.23 78.57 90 top
NOREF#217  -  []  54.5 61.29 90 top
NOREF#218  -  []  73.39 44.71 90 top
NOREF#219  -  []  32.78 24.23 90 top
NOREF#220  -  []  56.45 53.05 0 top
NOREF#221  -  []  70.49 9.97 90 top
NOREF#222  -  []  73.44 58.23 90 top
NOREF#223  -  []  25.17 23.15 90 top
NOREF#224  -  []  82.3 19.91 0 top
NOREF#225  -  []  59.98 62.85 90 top
NOREF#226  -  []  29.73 17.21 90 top
NOREF#227  -  []  12.56 68.39 90 top
NOREF#228  -  []  75.68 15.42 90 top
NOREF#229  -  []  74.93 55.32 0 top
NOREF#230  -  []  31.46 36.13 0 top
NOREF#231  -  []  79.47 58.68 90 top
NOREF#232  -  []  42.13 57.31 90 top
NOREF#233  -  []  63.95 20.2 0 top
NOREF#234  -  []  32.98 30.22 0 top
NOREF#235  -  []  53.88 10.72 0 top
NOREF#236  -  []  85.73 32.68 90 top
NOREF#237  -  []  79.88 48.44 90 top
NOREF#238  -  []  59.36 11.22 0 top
NOREF#239  -  []  36.12 44.55 90 top
NOREF#240  -  []  85.9 37.9 90 top
NOREF#241  -  []  70.27 77.41 90 top
NOREF#242  -  []  69.84 77.45 90 top
NOREF#243  -  []  6.57 60.72 0 top
NOREF#244  -  []  83.94 82.69 0 top
NOREF#245  -  []  36.58 80.57 90 top
NOREF#246  -  []  51.91 33.27 0 top
NOREF#247  -  []  25.38 35.45 0 top
NOREF#248  -  []  64.07 47.74 0 top
NOREF#249  -  []  8.2 59.07 90 top
NOREF#250  -  []  43.29 31 0 top
NOREF#251  -  []  82.51 24.8 0 top
NOREF#252  -  []  71.84 28.22 0 top
NOREF#253  -  []  68.92 31.22 0 top
NOREF#254  -  []  19.56 63.56 0 top
NOREF#255  -  []  82.91 52.34 0 top
NOREF#256  -  []  21.26 37.45 90 top
NOREF#257  -  []  53.57 75.98 0 top
NOREF#258  -  []  84.3 38.71 0 top
NOREF#259  -  []  73.23 7.97 90 top
NOREF#260  -  []  28.52 70.88 90 top
NOREF#261  -  []  12.26 32.88 90 top
NOREF#262  -  []  15.22 76.2 90 top
NOREF#263  -  []  77.83 10.06 90 top
NOREF#264  -  []  13.14 53.08 0 top
NOREF#265  -  []  67.22 81.08 90 top
NOREF#266  -  []  24.98 64 90 top
NOREF#267  -  []  24.38 34.44 0 top
NOREF#268  -  []  66.3 22.91 0 top
NOREF#269  -  []  19.48 44.53 0 top
NOREF#270  -  []  40.7 64 90 top
NOREF#271  -  []  65.06 25.5 90 top
NOREF#272  -  []  19.38 52.8 90 top
NOREF#273  -  []  33.38 82.17 0 top
NOREF#274  -  []  50.86 52.71 0 top
NOREF#275  -  []  81.64 58.47 0 top
NOREF#276  -  []  23.64 36.18 90 top
NOREF#277  -  []  66.24 83.09 0 top
NOREF#278  -  []  53.64 70.3 0 top
NOREF#279  -  []  89.84 56.53 90 top
NOREF#280  -  []  77.8 38.71 0 top
NOREF#281  -  []  37.96 60.81 90 top
NOREF#282  -  []  54.27 7.97 90 top
NOREF#283  -  []  34.43 38.74 0 top
NOREF#284  -  []  25.48 75.96 90 top
NOREF#285  -  []  58.67 82.76 0 top
NOREF#286  -  []  15.77 32.55 0 top
NOREF#287  -  []  50.05 58.35 90 top
NOREF#288  -  []  85.7 38.71 0 top
NOREF#289  -  []  72.33 65.91 0 top
NOREF#290  -  []  82.56 79.19 90 top
NOREF#291  -  []  35.75 76.2 90 top
NOREF#292  -  []  27.89 67.2 0 top
NOREF#293  -  []  81.87 82.69 90 top
NOREF#294  -  []  58.9 7.97 90 top
NOREF#295  -  []  66.9 51.32 90 top
NOREF#296  -  []  38.19 50.12 0 top
